# Altium PCB AVALON2_21b.PcbDoc (part 1 of 7)
Units mil, origin at the board's own origin, x right, y up, seen from the top; angles counter-clockwise.
Board outline 5250 x 3000 mil, 4 copper layers (Top Layer, Mid-Layer 1, Mid-Layer 2, Bottom Layer); 460 components, 80 nets, 2011 pads, 1492 vias.
Unrouted connection lines stored in the file: 78.
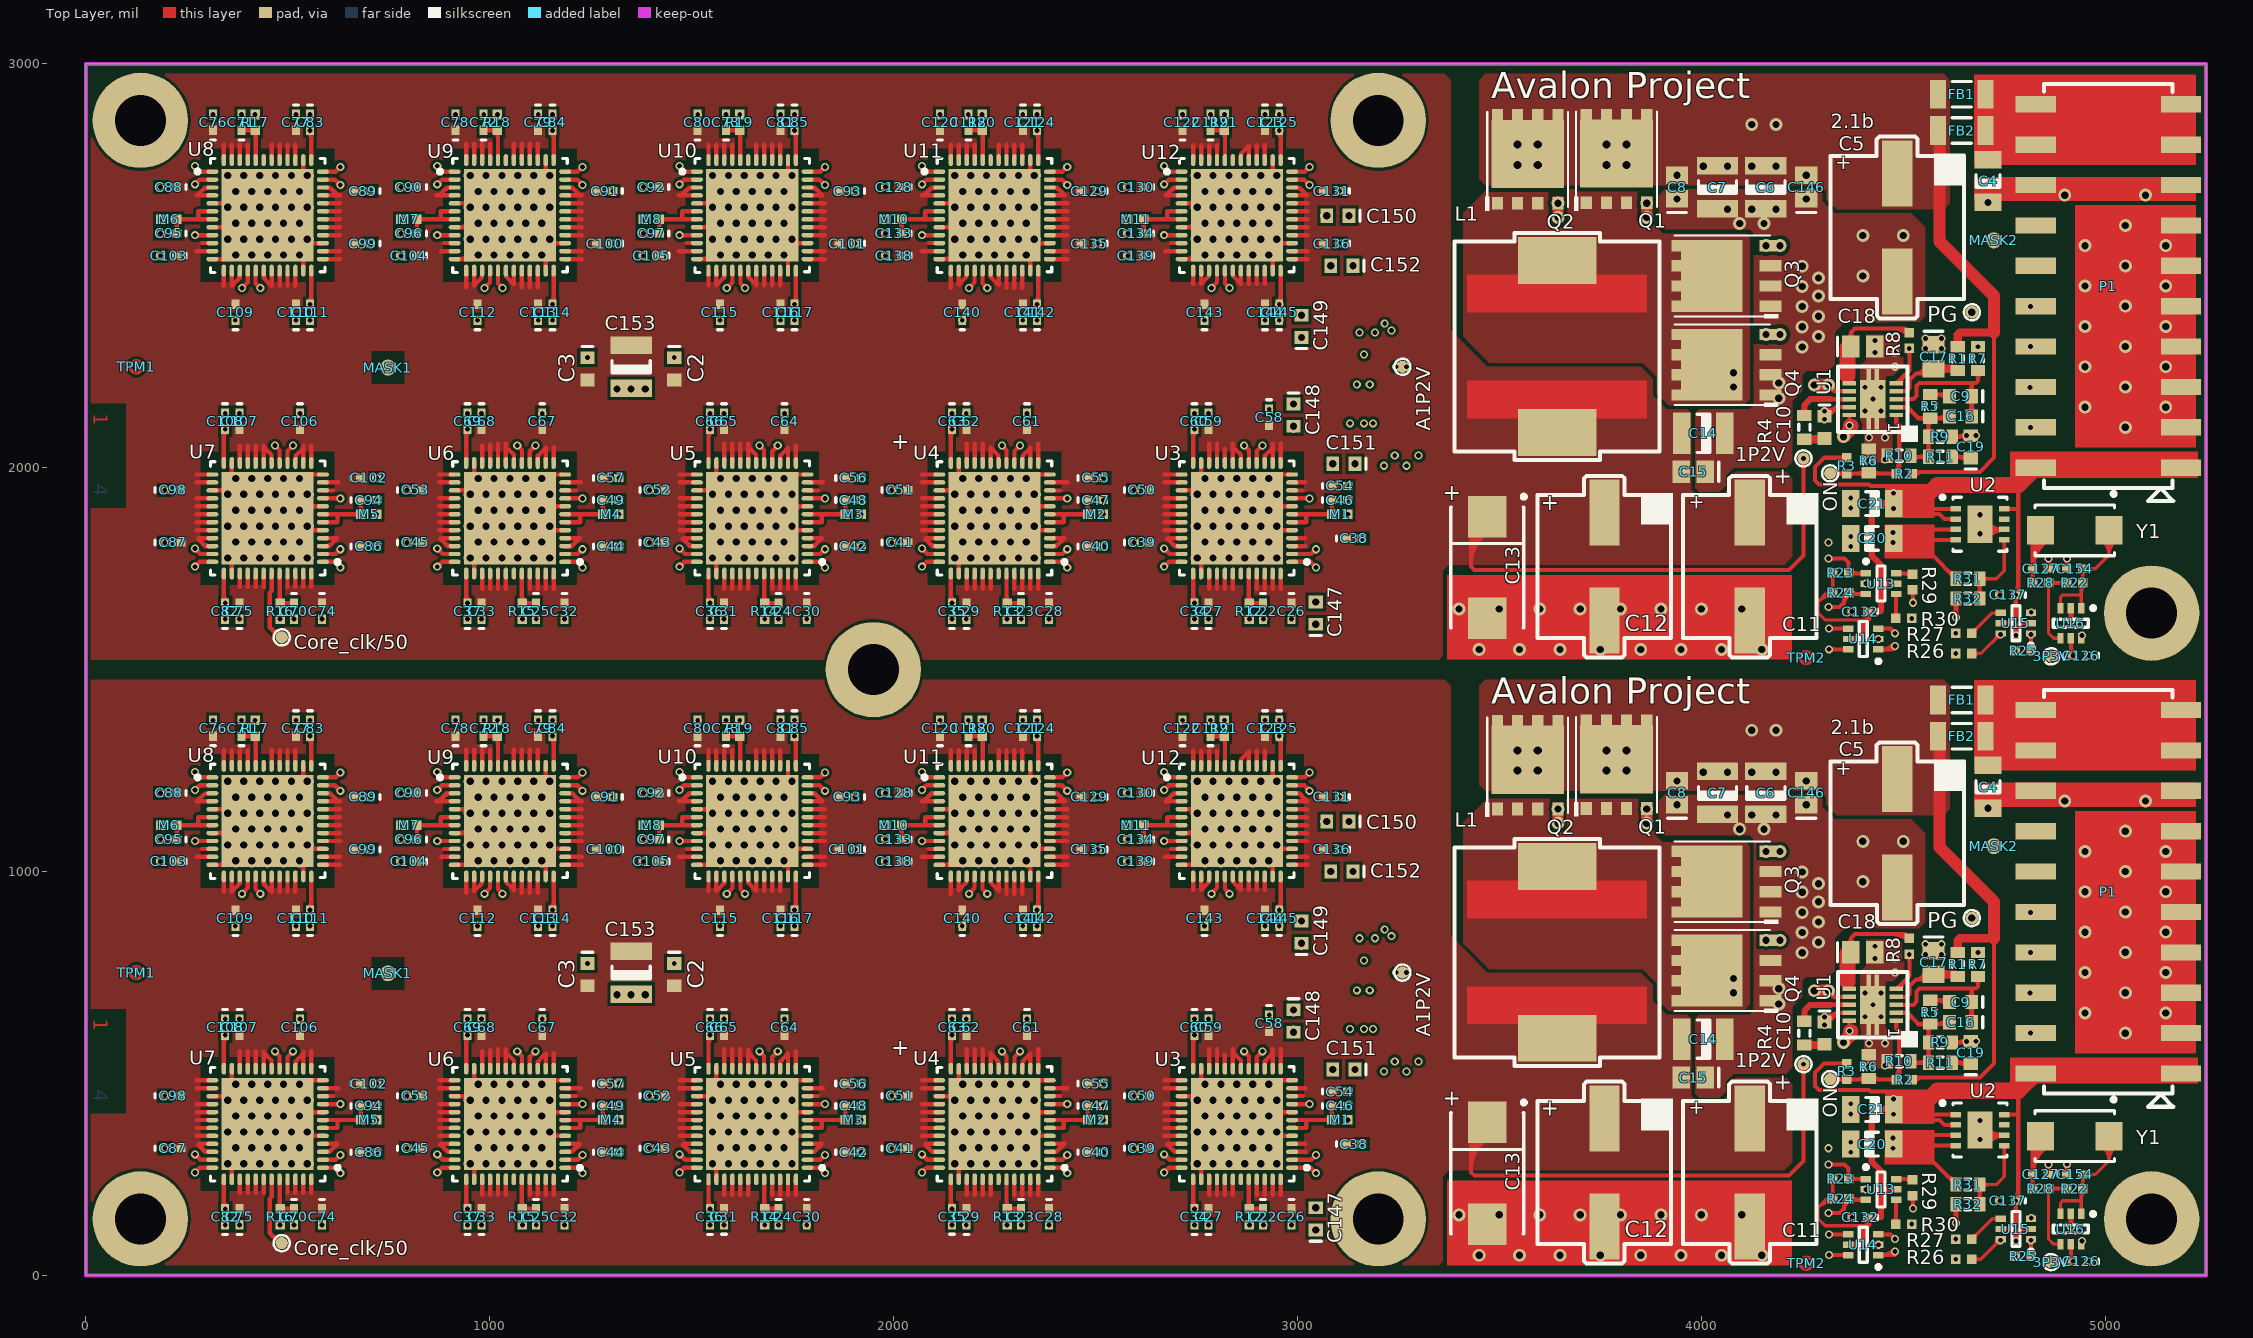
[diagram p0: Top Layer view]
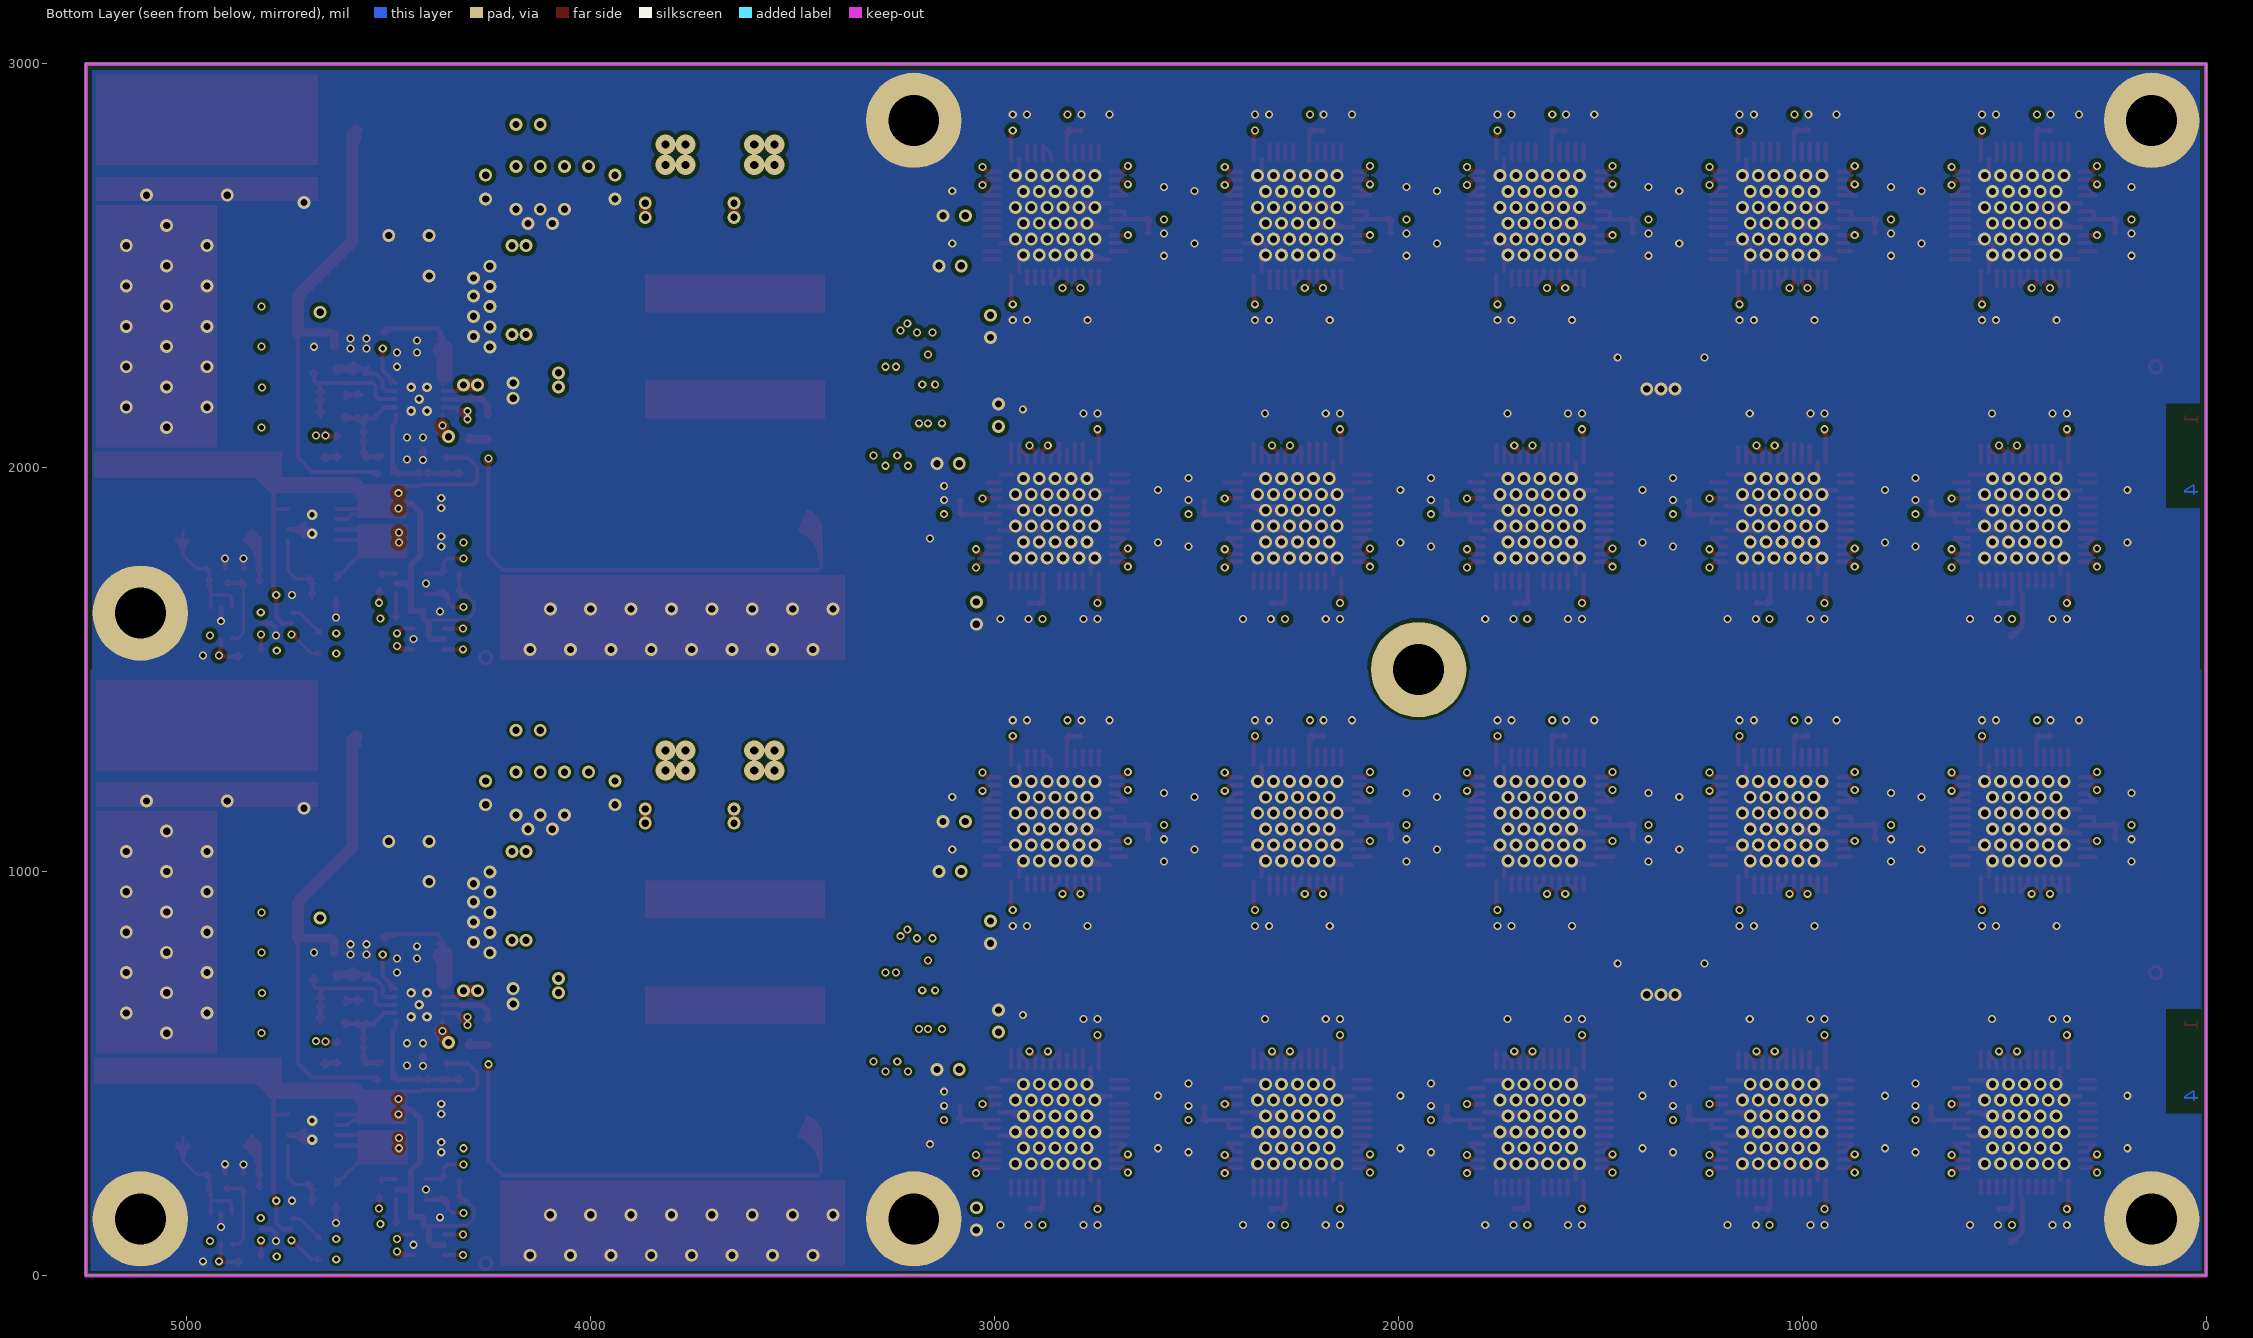
[diagram p1: Bottom Layer view, seen from below]
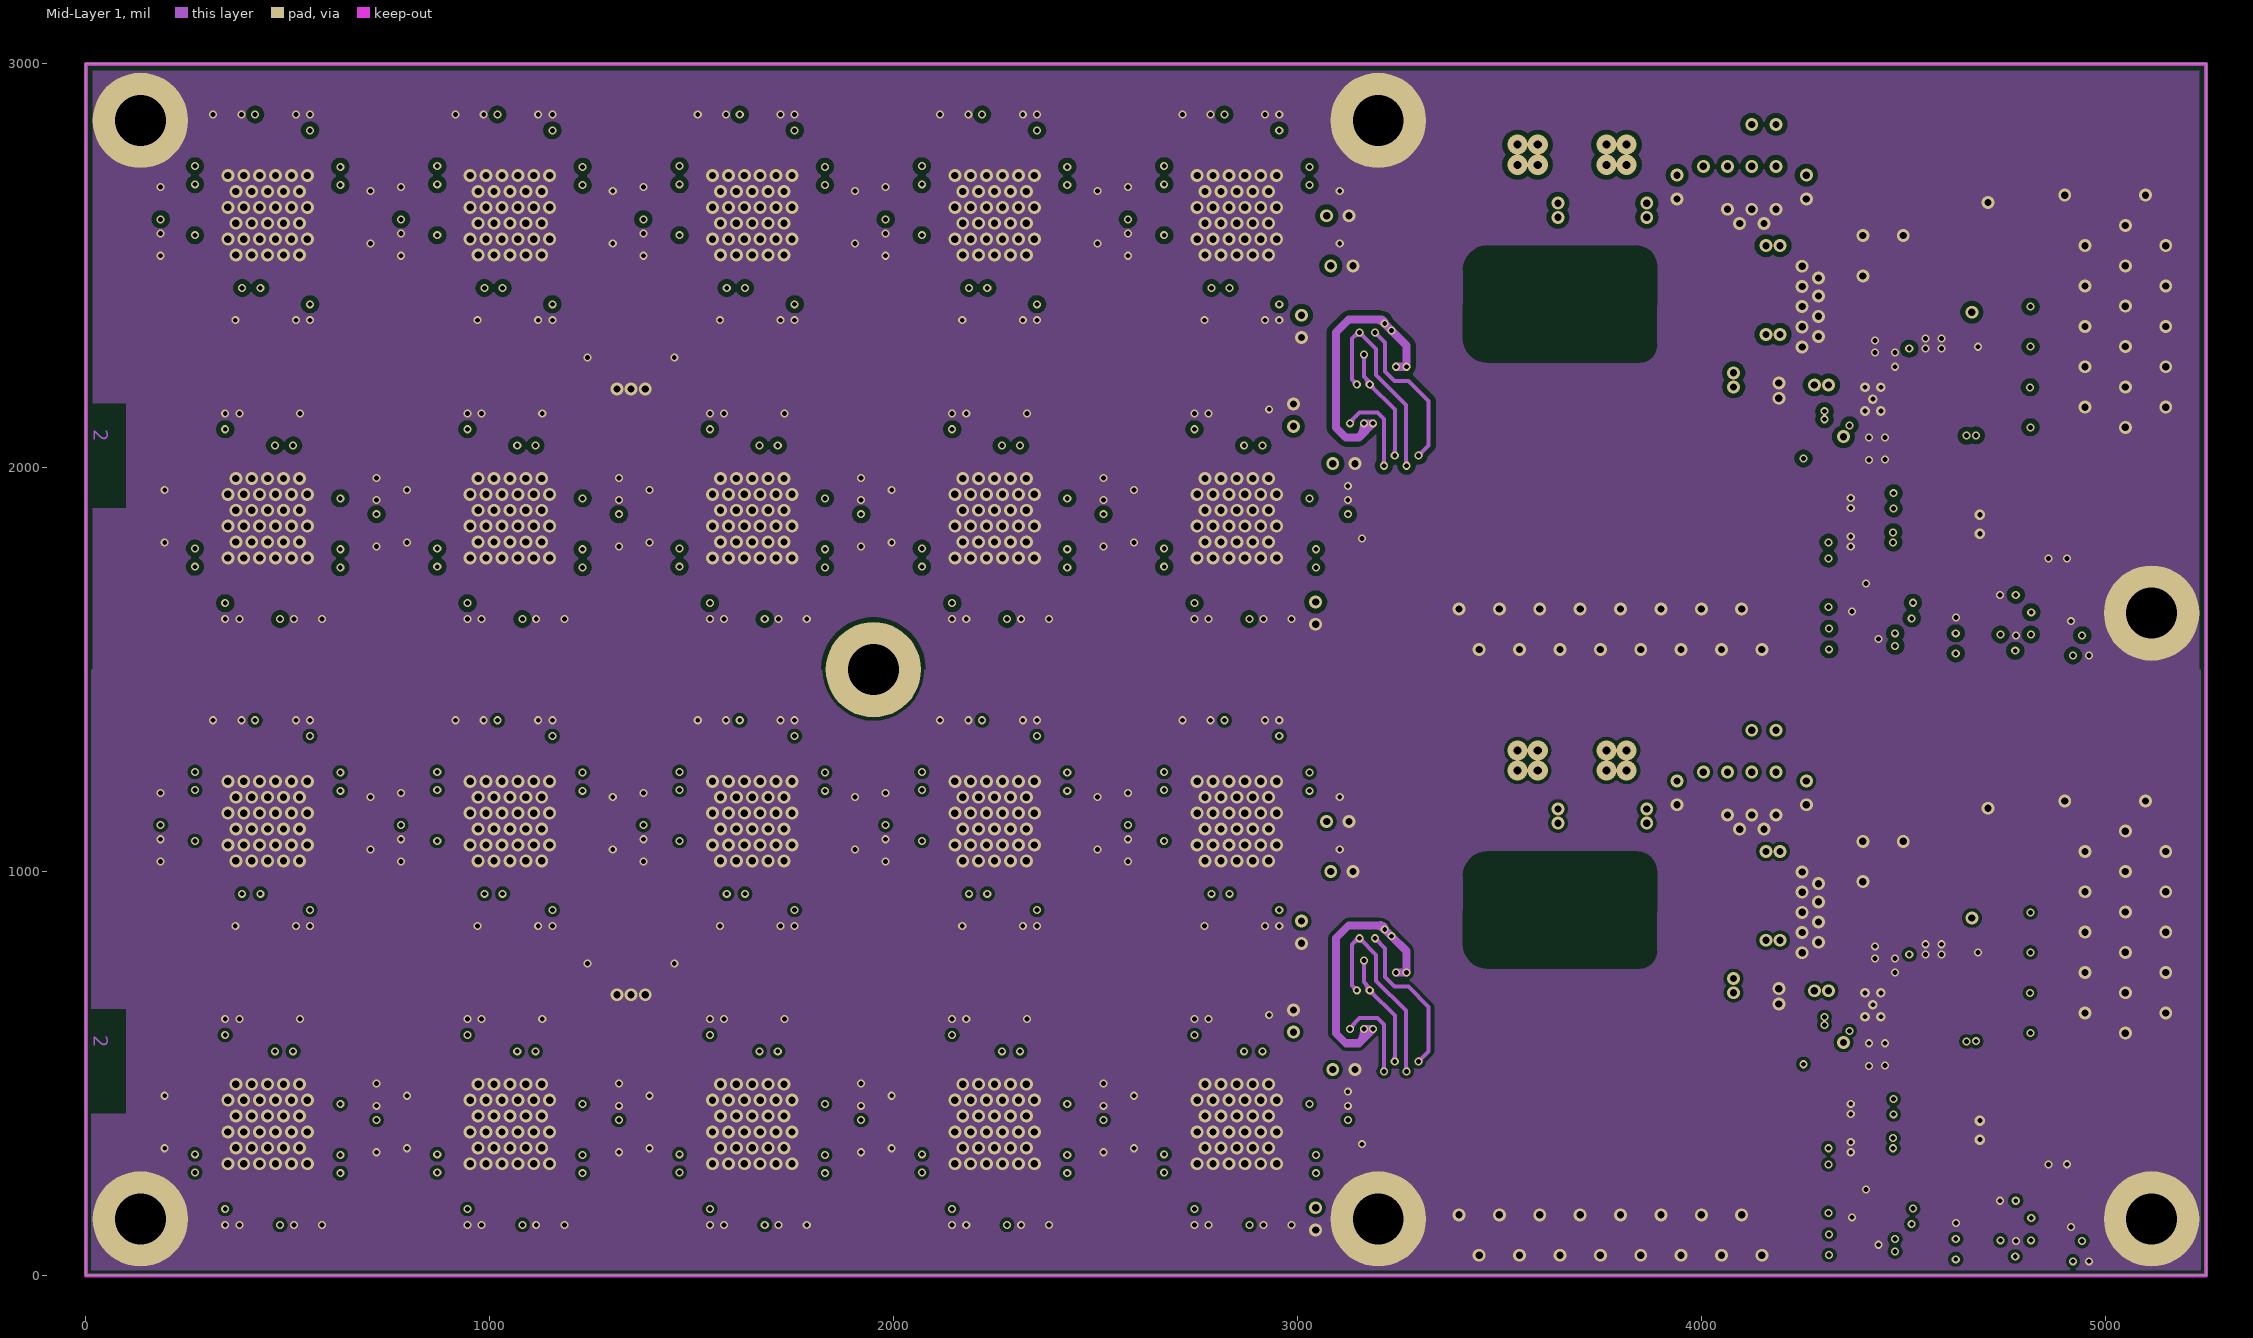
[diagram p2: Mid-Layer 1]
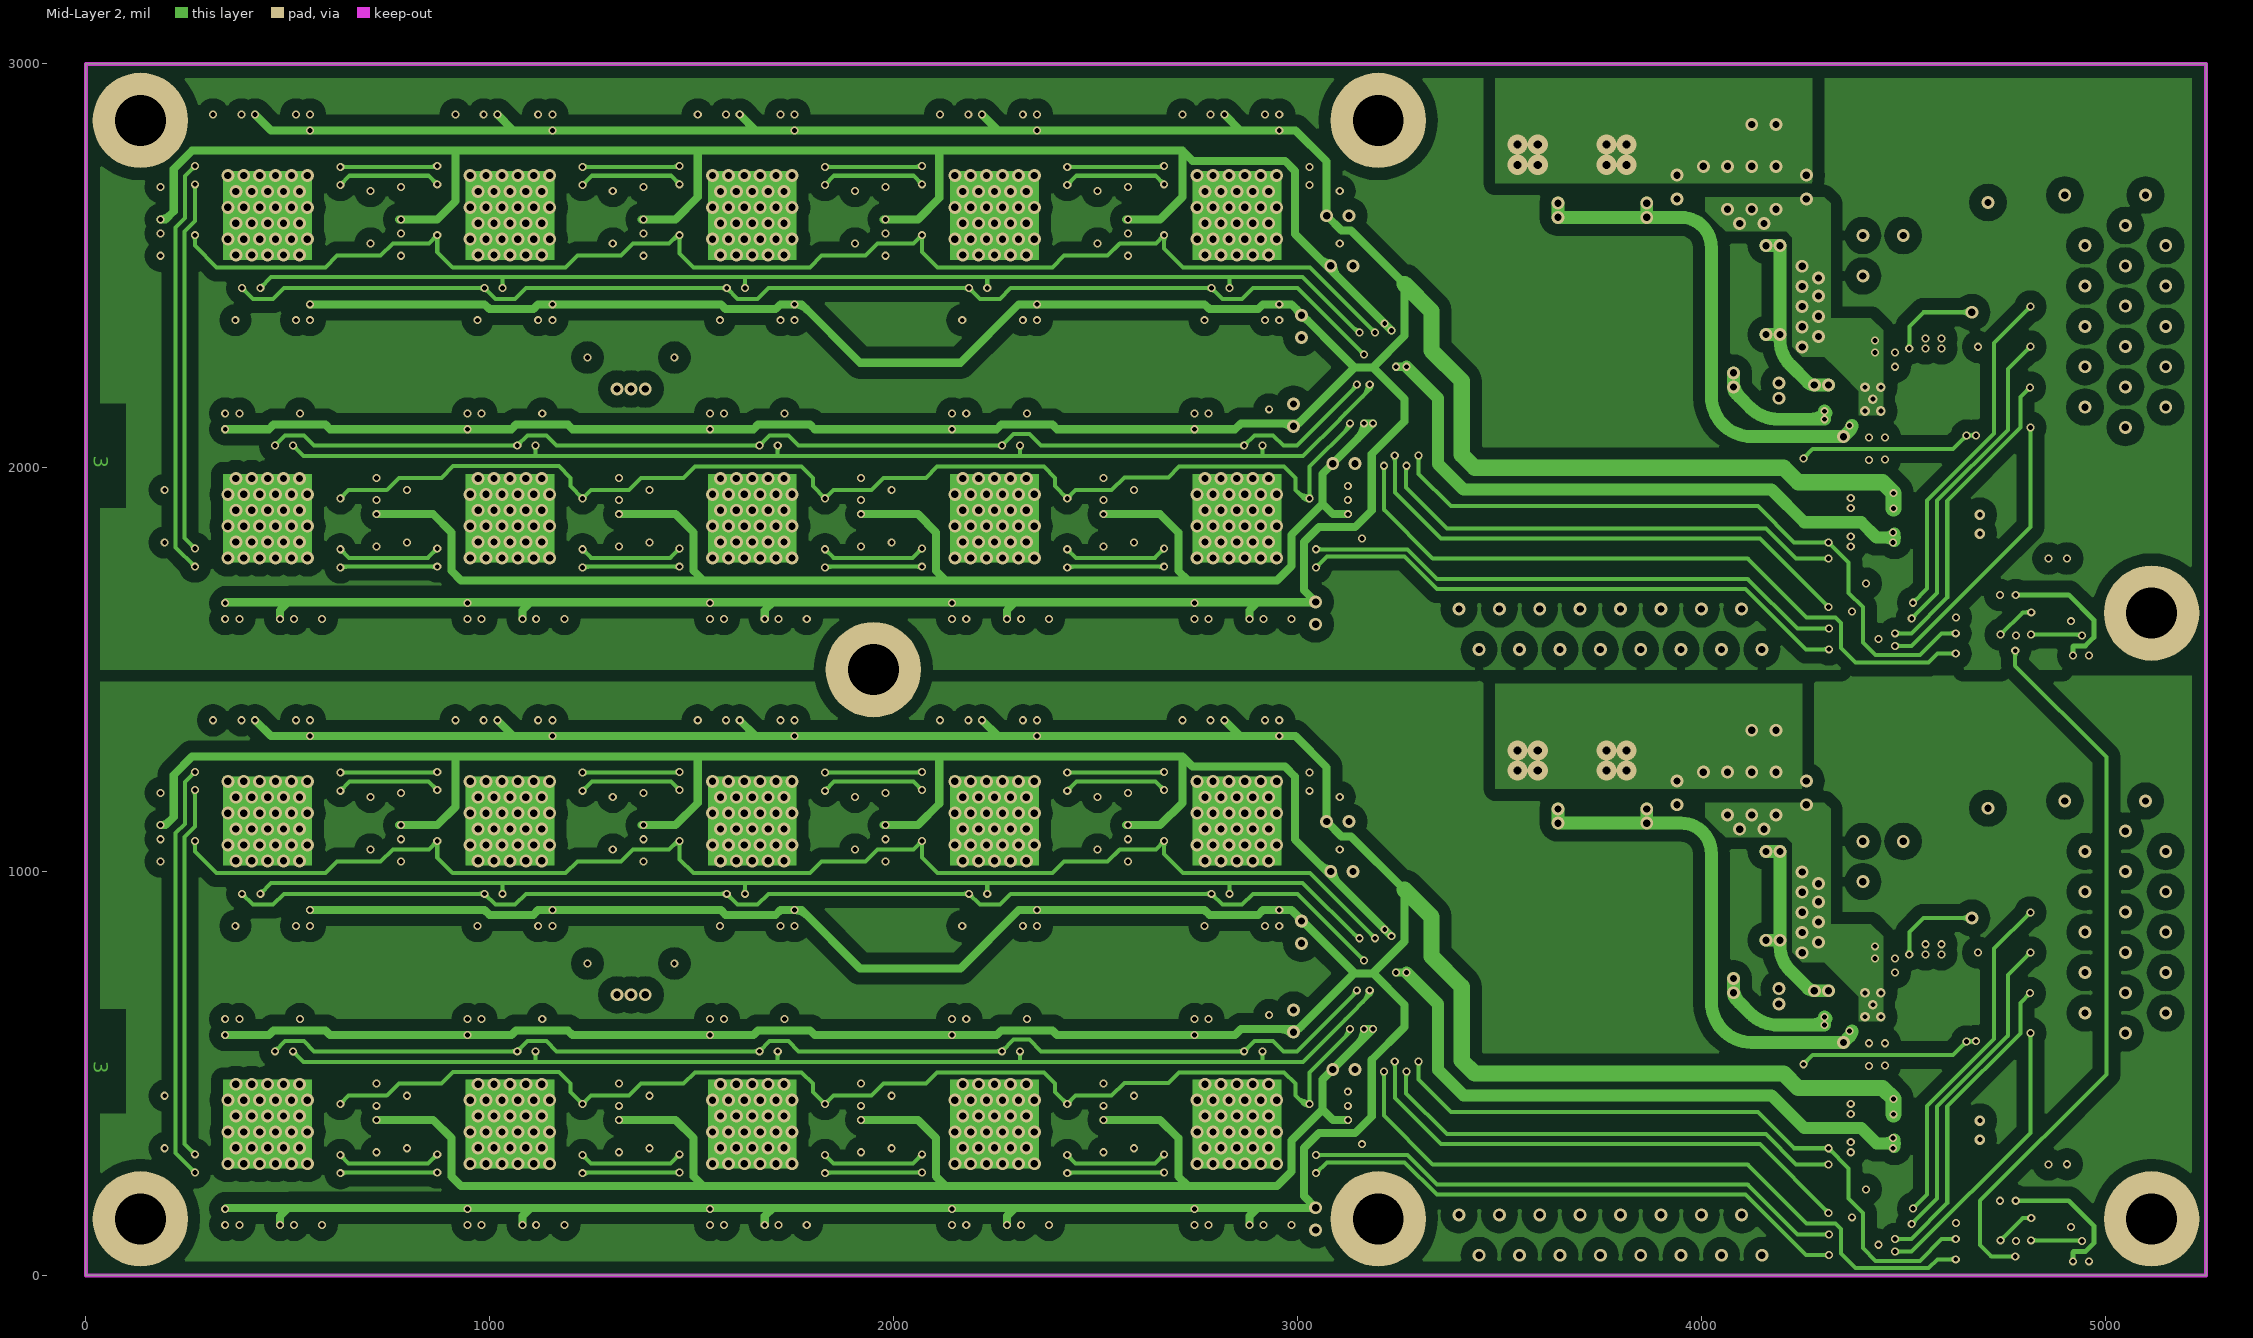
[diagram p3: Mid-Layer 2]

## Layer stack, top to bottom
Top Layer: signal copper 1.4
Dielectric: prepreg 12.6, FR-4, Dk 4.8
Mid-Layer 1: signal copper 1.4
Dielectric: core 12.6, FR-4, Dk 4.8
Mid-Layer 2: signal copper 1.4
Dielectric: prepreg 12.6, FR-4, Dk 4.8
Bottom Layer: signal copper 1.4

## Board outline
0,0 0,3000 5250,3000 5250,0

## Design rules (kind name [scope] priority, off if disabled: settings)
Clearance Clearance_19 [InNamedPolygon('NCC2')] p1: gap=30
Clearance Clearance_18 [InNamedPolygon('NCC')] p2: gap=30
Clearance Clearance_17 [InNamedPolygon('NCC')] p3: gap=30
Clearance Clearance_16 [InNamedPolygon('MG2')] p4: gap=10
Clearance Clearance_15 [InNamedPolygon('NCC')] p5: gap=30
Clearance Clearance_14 [InNamedPolygon('T1V2_2')] p6: gap=10
Clearance Clearance_13 [InNamedPolygon('NetC5_1')] p7: gap=10
Clearance Clearance_12 [InNamedPolygon('NetC10_1')] p8: gap=10
Clearance Clearance_11 [InNamedPolygon('TG3')] p9: gap=10
Clearance Clearance_10 [InNamedPolygon('M2_NetC10_1')] p10: gap=10
Clearance Clearance_9 [InNamedPolygon('M2_NetC5_1')] p11: gap=10
Clearance Clearance_8 [InNamedPolygon('M2_G1')] p12: gap=10
Clearance Clearance_7 [InNamedPolygon('T1V1')] p13: gap=10
Clearance Clearance_6 [InNamedPolygon('TGI1')] p14: gap=10
Clearance Clearance_5 [InNamedPolygon('TNC61')] p15: gap=10
Clearance Clearance_4 [InNamedPolygon('T3V1')] p16: gap=10
Clearance Clearance_3 [InNamedPolygon('TG2')] p17: gap=10
Clearance Clearance_2 [InNamedPolygon('TG1')] p18: gap=10
Clearance Clearance_1 [InNamedPolygon('BG1')] p19: gap=10
Clearance [InNamedPolygon('M1G1')] p20: gap=12
Clearance Clearance_top [OnLayer('Top Layer')] p21: gap=7
Clearance Clearance_mid1 [OnLayer('Mid-Layer 1')] p22: gap=8
Clearance Clearance_mid2 [OnLayer('Mid-Layer 2')] p23: gap=8
Clearance Clearance_bottom [OnLayer('Bottom Layer')] p24: gap=7
HoleSize [All] p1: absolutevalues=TRUE maxlimit=10000 minlimit=1 maxpercent=80.000 minpercent=20.000
HoleToHoleClearance [All] p1 off: gap=10 allowstackedmicrovias=TRUE
MinimumSolderMaskSliver [All] p1 off: minsoldermaskwidth=10
PolygonConnect PolygonConnect_20 [All vs IsNamedPolygon('MG2')] p1: connectstyle=Direct reliefconductorwidth=10 reliefentries=4 polygonreliefangle="90 Angle" airgapwidth=10
PolygonConnect PolygonConnect_19 [All vs IsNamedPolygon('NCC')] p2: connectstyle=NoConnect reliefconductorwidth=10 reliefentries=4 polygonreliefangle="90 Angle" airgapwidth=10
PolygonConnect PolygonConnect_18 [All vs IsNamedPolygon('T1V2_2')] p3: connectstyle=Direct reliefconductorwidth=10 reliefentries=4 polygonreliefangle="90 Angle" airgapwidth=10
PolygonConnect PolygonConnect_17 [All vs IsNamedPolygon('NetC5_1')] p4: connectstyle=Direct reliefconductorwidth=10 reliefentries=4 polygonreliefangle="90 Angle" airgapwidth=10
PolygonConnect PolygonConnect_16 [All vs IsNamedPolygon('NetC10_1')] p5: connectstyle=Direct reliefconductorwidth=10 reliefentries=4 polygonreliefangle="90 Angle" airgapwidth=10
PolygonConnect PolygonConnect_15 [All vs IsNamedPolygon('TG3')] p6: connectstyle=Direct reliefconductorwidth=10 reliefentries=4 polygonreliefangle="90 Angle" airgapwidth=10
PolygonConnect PolygonConnect_14 [All vs IsNamedPolygon('M2_NetC10_1')] p7: connectstyle=Direct reliefconductorwidth=10 reliefentries=4 polygonreliefangle="90 Angle" airgapwidth=10
PolygonConnect PolygonConnect_13 [All vs IsNamedPolygon('M2_NetC5_1')] p8: connectstyle=Direct reliefconductorwidth=10 reliefentries=4 polygonreliefangle="90 Angle" airgapwidth=10
PolygonConnect PolygonConnect_12 [All vs IsNamedPolygon('M2_G1')] p9: connectstyle=Direct reliefconductorwidth=10 reliefentries=4 polygonreliefangle="90 Angle" airgapwidth=10
PolygonConnect PolygonConnect_11 [All vs IsNamedPolygon('M2_NetC5_1')] p10: connectstyle=Direct reliefconductorwidth=10 reliefentries=4 polygonreliefangle="90 Angle" airgapwidth=10
PolygonConnect PolygonConnect_10 [All vs IsNamedPolygon('T1V1')] p11: connectstyle=Direct reliefconductorwidth=10 reliefentries=4 polygonreliefangle="90 Angle" airgapwidth=10
PolygonConnect PolygonConnect_9 [All vs IsNamedPolygon('TGI1')] p12: connectstyle=Direct reliefconductorwidth=10 reliefentries=4 polygonreliefangle="90 Angle" airgapwidth=10
PolygonConnect PolygonConnect_8 [All vs IsNamedPolygon('TNC61')] p13: connectstyle=Direct reliefconductorwidth=10 reliefentries=4 polygonreliefangle="90 Angle" airgapwidth=10
PolygonConnect PolygonConnect_7 [All vs IsNamedPolygon('T3V1')] p14: connectstyle=Direct reliefconductorwidth=10 reliefentries=4 polygonreliefangle="90 Angle" airgapwidth=10
PolygonConnect PolygonConnect_6 [All vs IsNamedPolygon('TG1')] p15: connectstyle=Direct reliefconductorwidth=10 reliefentries=4 polygonreliefangle="90 Angle" airgapwidth=10
PolygonConnect PolygonConnect_5 [All vs IsNamedPolygon('TG2')] p16: connectstyle=Direct reliefconductorwidth=10 reliefentries=4 polygonreliefangle="90 Angle" airgapwidth=10
PolygonConnect PolygonConnect_4 [All vs IsNamedPolygon('BG1')] p17: connectstyle=Direct reliefconductorwidth=10 reliefentries=4 polygonreliefangle="90 Angle" airgapwidth=10
PolygonConnect PolygonConnect_3 [All vs IsNamedPolygon('BG1')] p18: connectstyle=Direct reliefconductorwidth=10 reliefentries=4 polygonreliefangle="90 Angle" airgapwidth=10
PolygonConnect PolygonConnect_2 [All vs IsNamedPolygon('M1G1')] p19: connectstyle=Direct reliefconductorwidth=10 reliefentries=4 polygonreliefangle="90 Angle" airgapwidth=10
PolygonConnect PolygonConnect_1 [All vs IsNamedPolygon('T1V2')] p20: connectstyle=Direct reliefconductorwidth=10 reliefentries=4 polygonreliefangle="90 Angle" airgapwidth=10
PolygonConnect [All] p21: connectstyle=Relief reliefconductorwidth=10 reliefentries=4 polygonreliefangle="90 Angle" airgapwidth=10
RoutingVias [All] p1: holewidth=28 width=50 viastyle="Through Hole" minholewidth=1 minwidth=2 maxholewidth=28 maxwidth=50
SilkToSilkClearance [All] p1 off: silktosilkclearance=10
SilkToSolderMaskClearance SilkscreenOverComponentPads [IsPad] p1: minsilkscreentomaskgap=1 clearancetoexposedcopper=TRUE
SolderMaskExpansion [All] p1: expansion=4
Width Width_INT1 [OnLayer('Mid-Layer 2')] p1: maxlimit=10000 minlimit=10 preferedwidth=10
Width Width_BTM [OnLayer('Bottom Layer')] p2: maxlimit=7000 minlimit=7 preferedwidth=7
Width Width_TOP [OnLayer('Top Layer')] p3: maxlimit=1000 minlimit=7 preferedwidth=7
Width Width_INT2 [OnLayer('Mid-Layer 1')] p4: maxlimit=10000 minlimit=10 preferedwidth=10
23 further rules are at their usual default settings.

## Classes and differential pairs
component class AVALON._power2: 1P2V 3P3V A1P2V C2 C3 C4 C5 C6 C7 C8 C9 C10 C11 C12 C13 C14 C15 C16 C17 C18 C19 C20 C21 C146 C147 C148 C149 C150 C151 C152 C153 FB1 FB2 L1 MASK1 MASK2 ON PG Q1 Q2 Q3 Q4 R1 R2 R3 R4 R5 R6 R7 R8 R9 R10 R11 R31 R32 TPM1 TPM2 U1 U2
component class AVALON_chip.1: C22 C23 C24 C25 C26 C27 C28 C29 C30 C31 C32 C33 C34 C35 C36 C37 C38 C39 C40 C41 C42 C43 C44 C45 C46 C47 C48 C49 C50 C51 C52 C53 C54 C55 C56 C57 C58 C59 C60 C61 C62 C63 C64 C65 C66 C67 C68 C69 C70 C71 C72 C73 C74 C75 C76 C77 C78 C79 C80 C81 C82 C83 C84 C85 C86 C87 C88 C89 C90 C91 C92 C93 C94 C95 C96 C97 C98 C99 C100 C101 C102 C103 C104 C105 C106 C107 C108 C109 C110 C111 C112 C113 C114 C115 C116 C117 C118 C119 C120 C121 C122 C123 C124 C125 C126 C127 C128 C129 C130 C131 C132 C133 C134 C135 C136 C137 C138 C139 C140 C141 C142 C143 C144 C145 C154 Core_clk/50 M1 M2 M3 M4 M5 M6 M7 M8 M10 M11 P1 R12 R13 R14 R15 R16 R17 R18 R19 R20 R21 R22 R23 R24 R25 R26 R27 R28 R29 R30 U3 U4 U5 U6 U7 U8 U9 U10 U11 U12 U13 U14 U15 U16 Y1
